# Altium PCB Analog_Daughter_6U_MAX11331.PcbDoc (part 1 of 6) (continued)
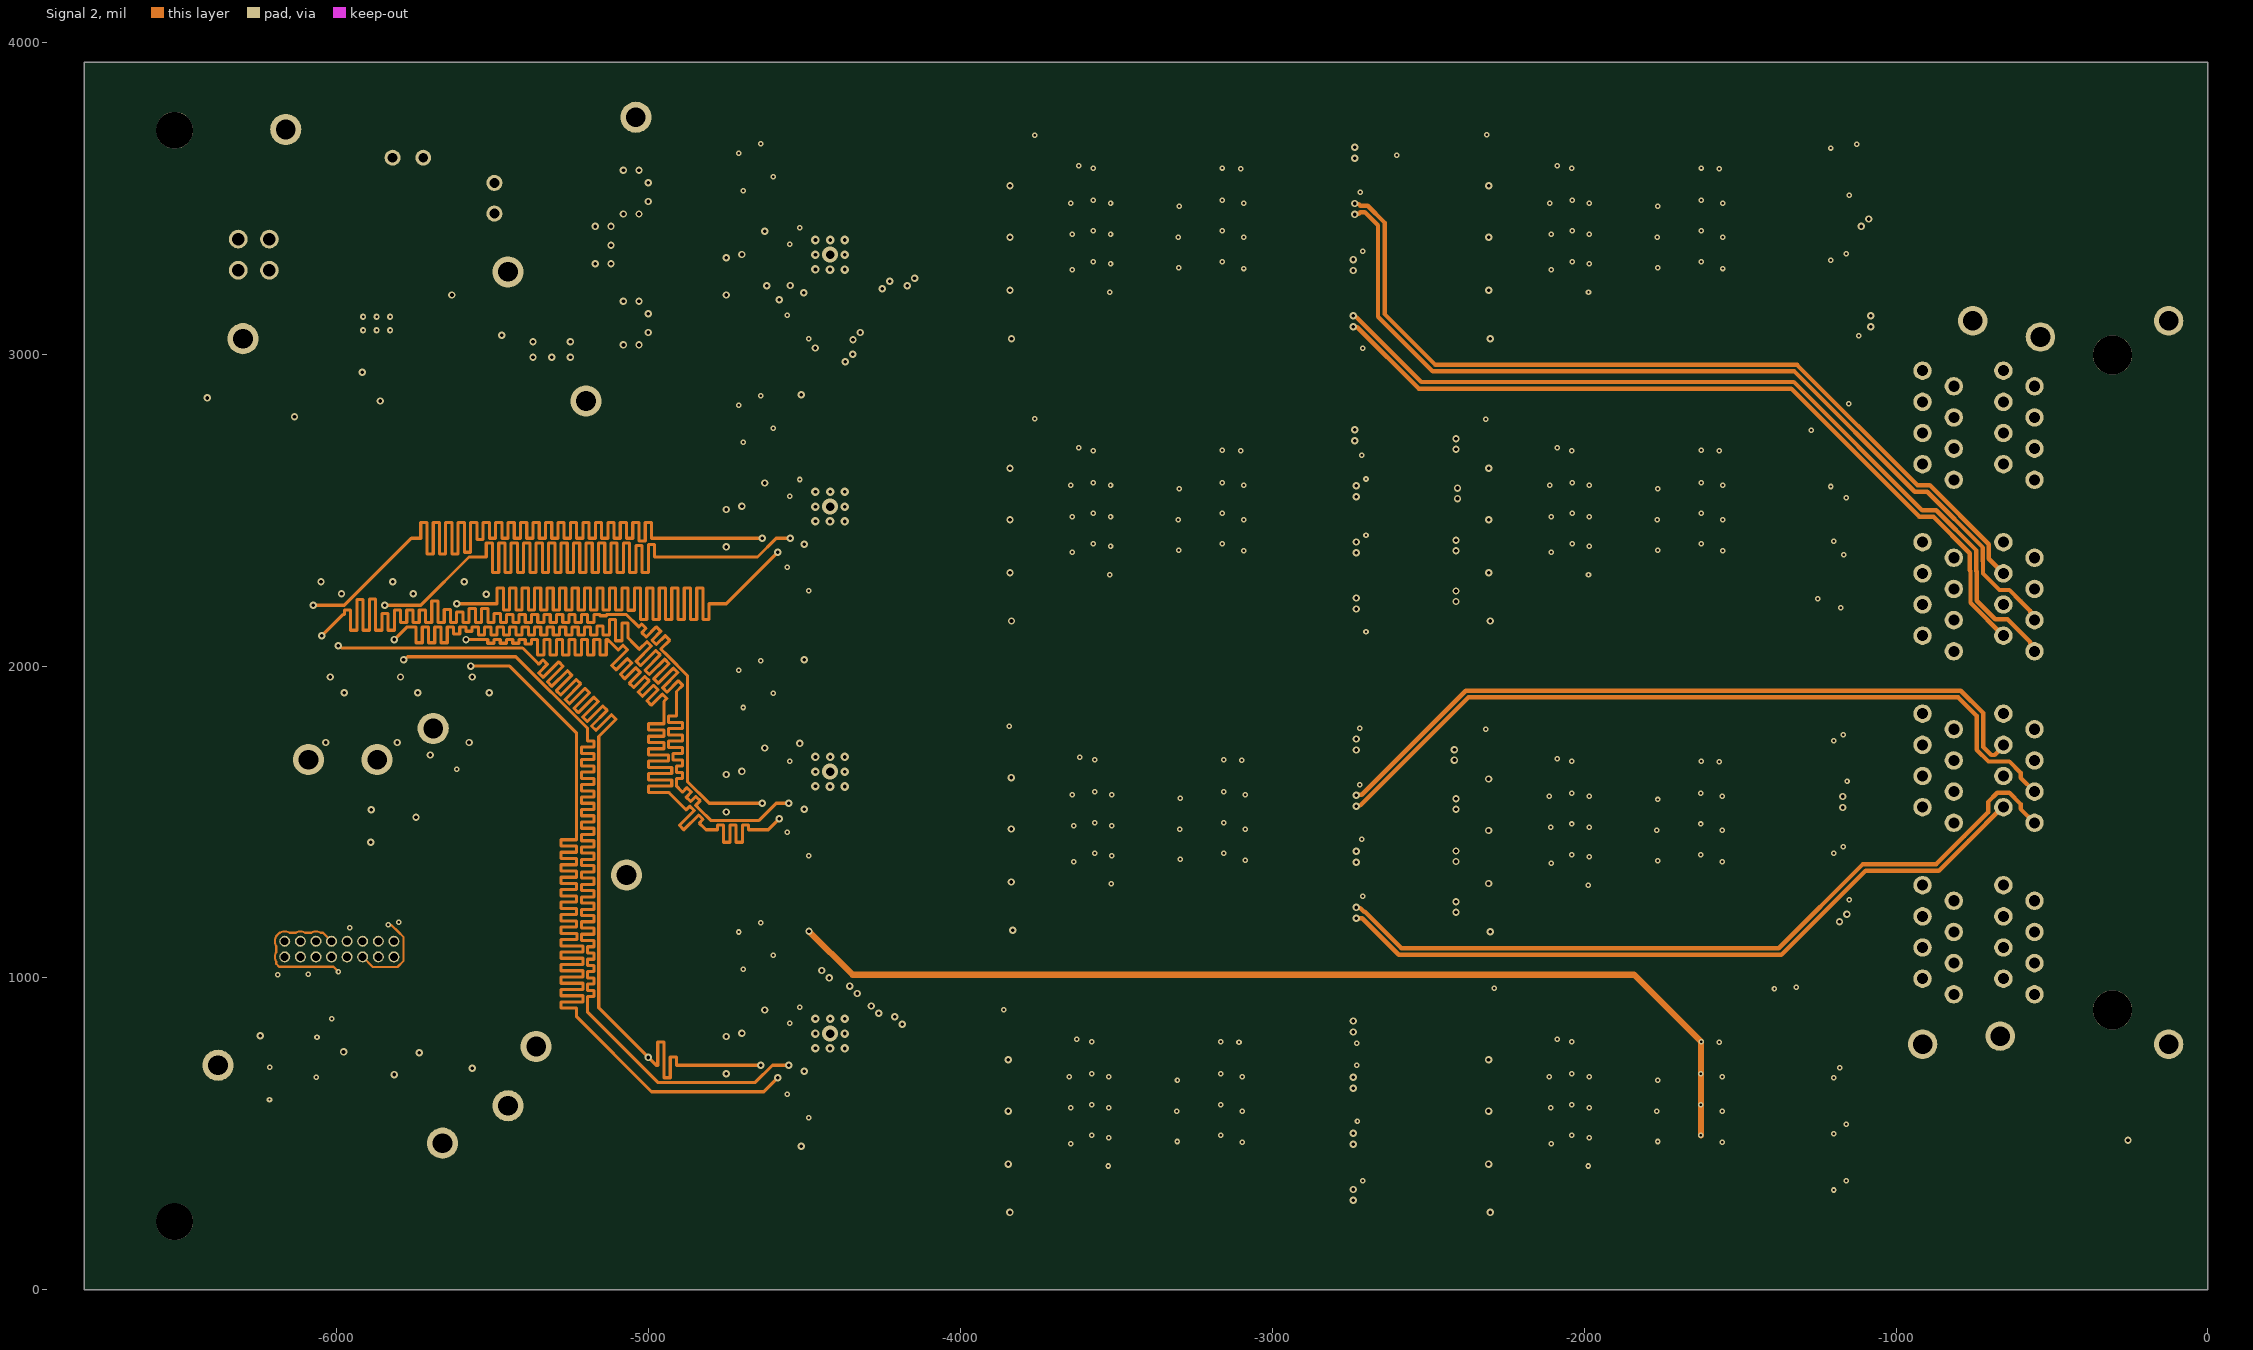
[diagram p4: Signal 2]
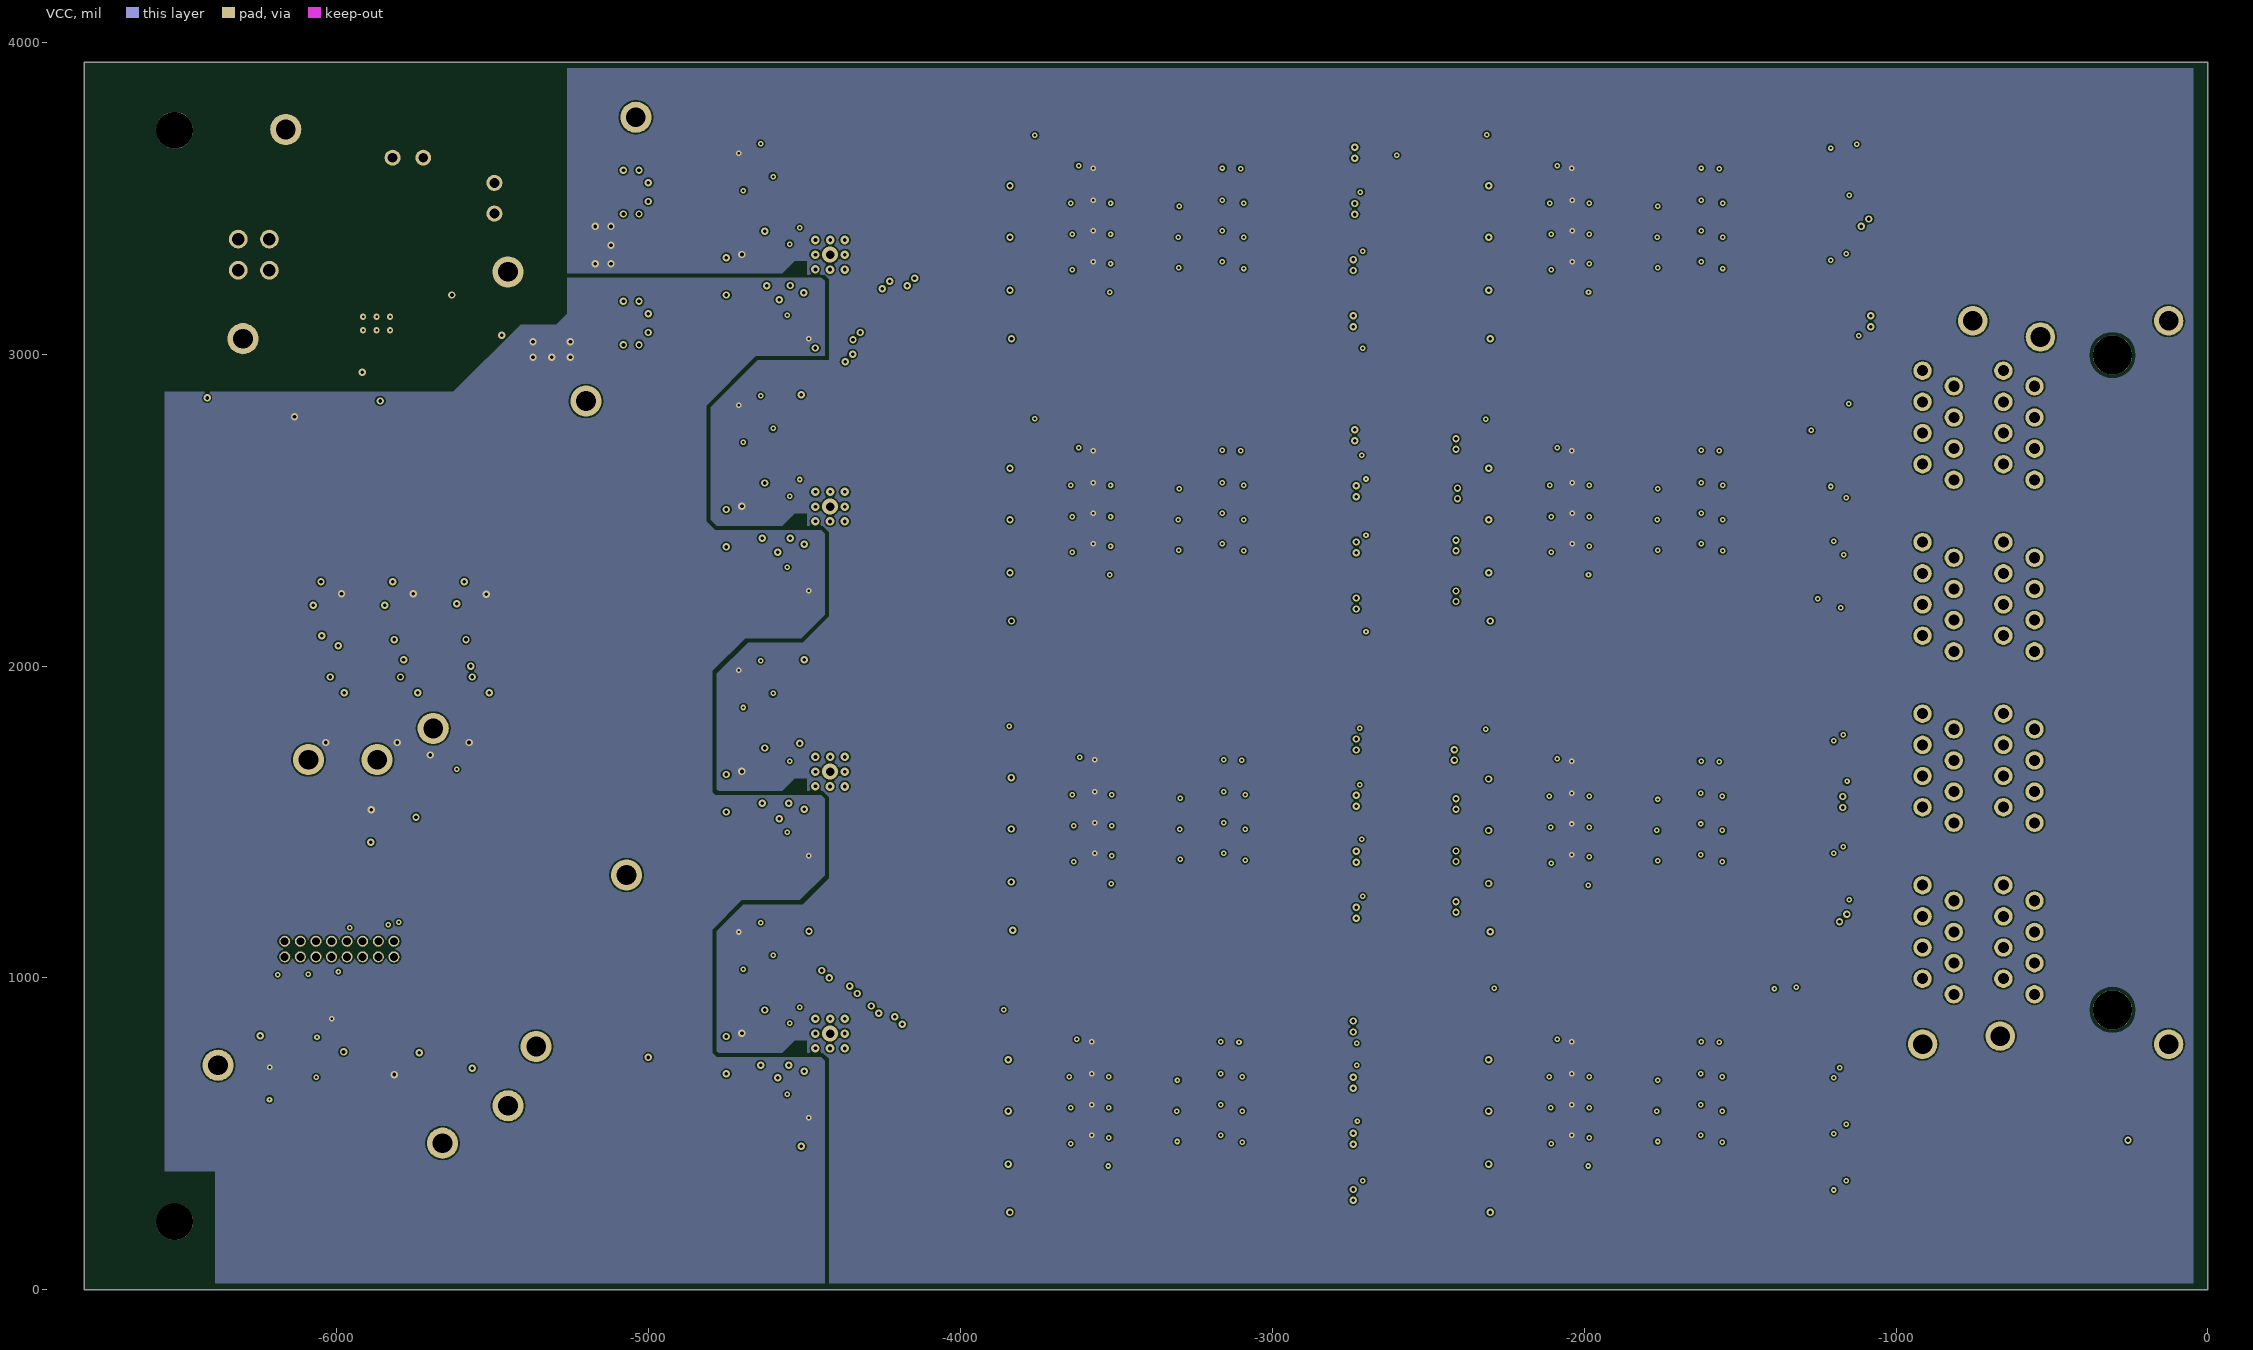
[diagram p5: VCC]
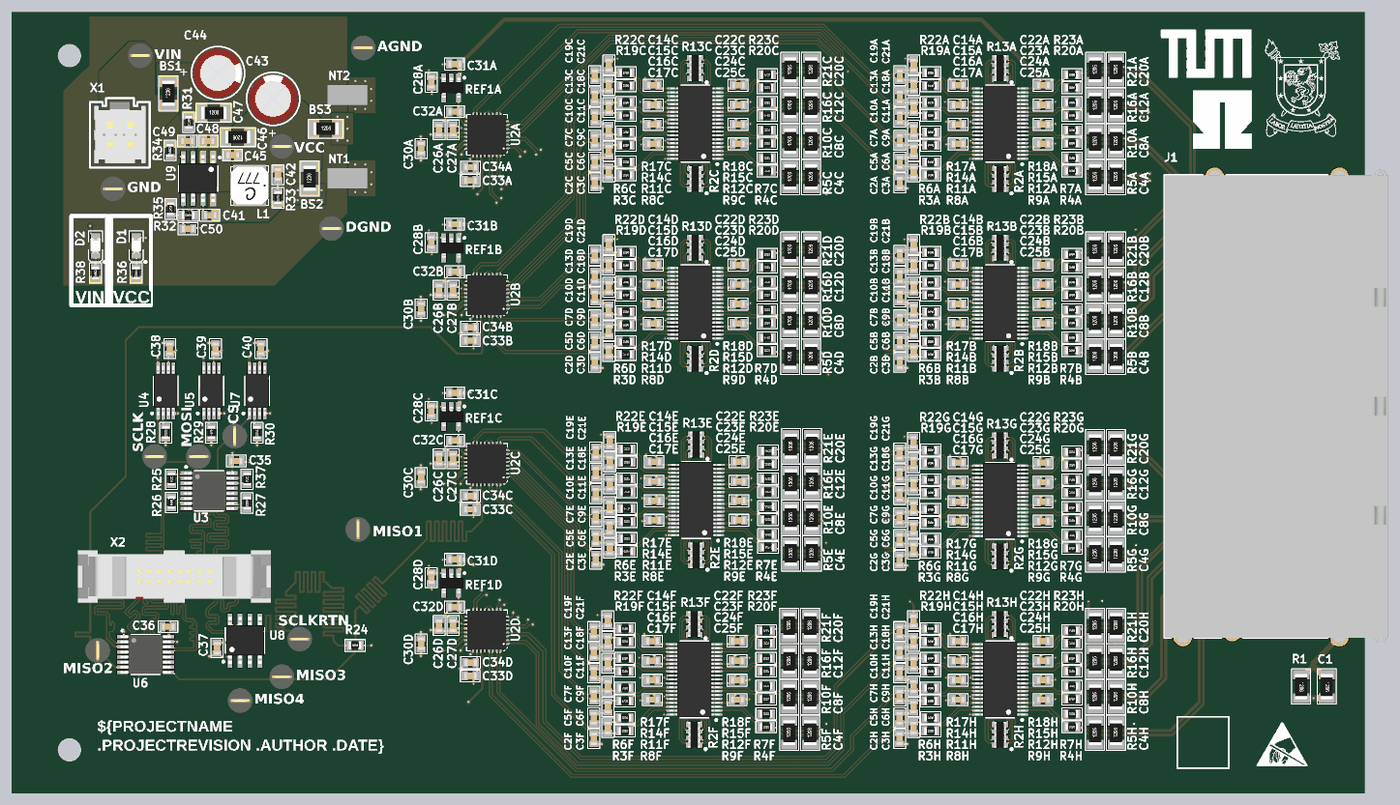
[diagram p11: 3D render of the assembled board from above, using the file's embedded part models]
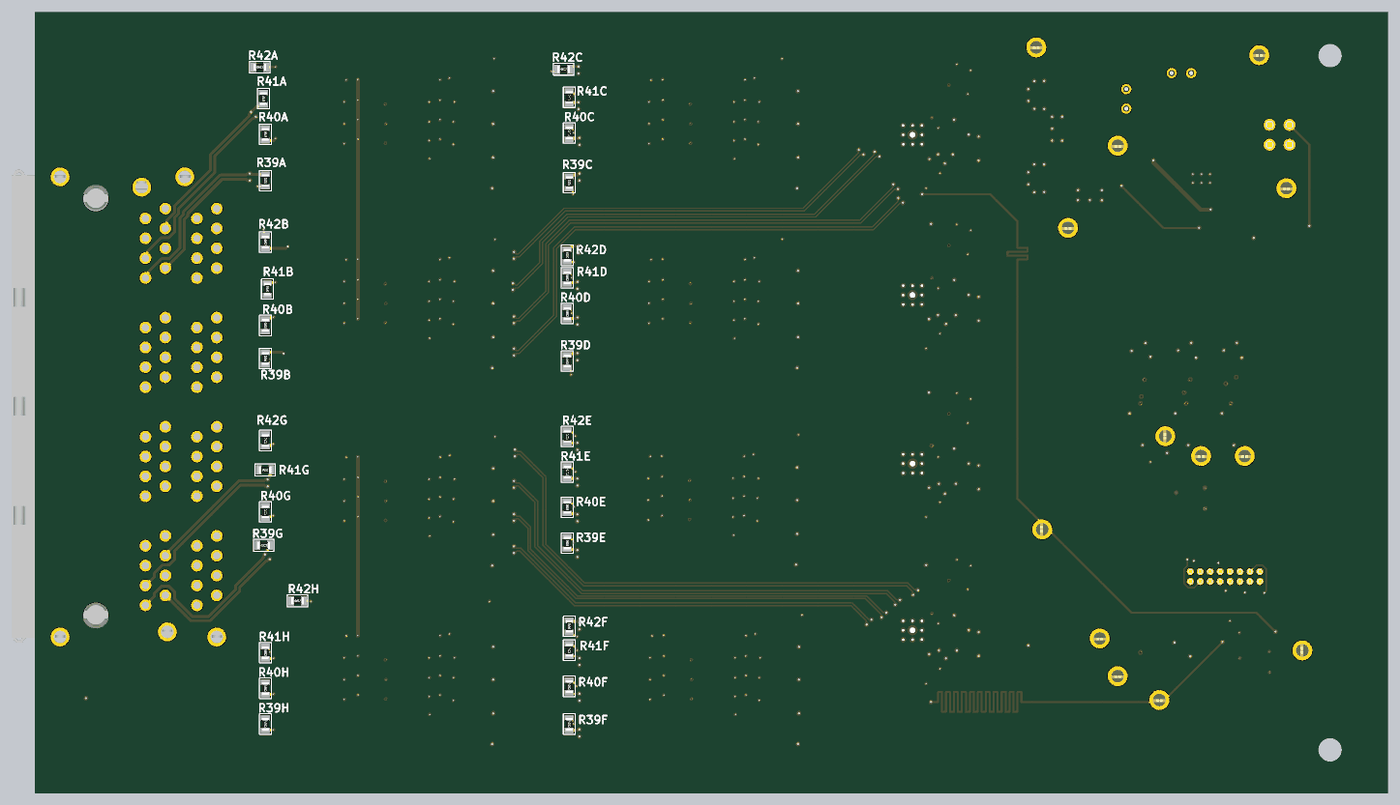
[diagram p12: 3D render of the assembled board from below, using the file's embedded part models]

## Layer stack, top to bottom
Top Solder: solder mask 0.4, Solder Resist, Dk 3.5
Top Layer: signal copper 1.4
Dielectric 2: prepreg 2.8, PP-006, Dk 4.1
GND: signal copper 1.378
Dielectric 4: prepreg 2.8, PP-006, Dk 4.1
Signal 1: signal copper 1.378
Dielectric 1: dielectric 12.6, FR-4, Dk 4.8
Signal 2: signal copper 1.378
Dielectric 5: prepreg 2.8, PP-006, Dk 4.1
VCC: signal copper 1.378
Dielectric 3: prepreg 2.8, PP-006, Dk 4.1
Bottom Layer: signal copper 1.4
Bottom Solder: solder mask 0.4, Solder Resist, Dk 3.5

## Board outline
-6811.03,0 -0.01,0 -0.01,3937.01 -6811.03,3937.01

## Design rules (kind name [scope] priority, off if disabled: settings)
BoardOutlineClearance [All] p1: gap=20 ignorepadtopadclearanceinfootprint=FALSE except(0: Arc-SplitContinuation Track-SplitContinuation SMDPad-SplitContinuation THPad-SplitContinuation Via-SplitContinuation Fill-SplitContinuation Poly-SplitContinuation Region-SplitContinuation Text-OutlineEdge Text-CavityEdge Text-CutoutEdge Text-SplitBarrior Text-SplitContinuation)
Clearance [All] p1: gap=5 ignorepadtopadclearanceinfootprint=FALSE except(0: Arc-Text Track-Text SMDPad-Text THPad-Text Via-Text Fill-Text Poly-Text Region-Text Text-Text Text-Hole; 10: Arc-THPad Arc-Via Arc-Hole Track-THPad Track-Via Track-Hole SMDPad-THPad SMDPad-Via SMDPad-Hole THPad-THPad THPad-Via THPad-Hole Via-Via Via-Hole Fill-Hole Poly-Hole Region-Hole)
DiffPairsRouting [All] p1: maxlimit=10 minlimit=5 mostfreqgap=7 toplayer_minwidth=5 toplayer_maxwidth=15 toplayer_prefwidth=7 midlayer1_minwidth=5 midlayer1_maxwidth=15 midlayer1_prefwidth=7 midlayer2_minwidth=5 midlayer2_maxwidth=15 midlayer2_prefwidth=7 midlayer3_minwidth=5 midlayer3_maxwidth=15 midlayer3_prefwidth=7 midlayer4_minwidth=5 midlayer4_maxwidth=15 midlayer4_prefwidth=7 bottomlayer_minwidth=5 bottomlayer_maxwidth=15 bottomlayer_prefwidth=7 maxuncoupledlength=500
Height [All] p1: minheight=0 maxheight=1100 prefheight=500
HoleSize [All] p1: absolutevalues=TRUE maxlimit=248.03 minlimit=7.87 maxpercent=80.000 minpercent=20.000
HoleToHoleClearance [All] p1: gap=19.68 allowstackedmicrovias=TRUE
MatchedLengths MatchedLengths_single [InNetClass('Match_single')] p1: tolerance=100 checknetsindiffpair=FALSE checkdiffpairvsdiffpair=TRUE checkxsignals=TRUE checkothers=TRUE
MatchedLengths MatchedLengths_diff_inpair [InNetClass('Match_diff')] p2: tolerance=50 checknetsindiffpair=TRUE checkdiffpairvsdiffpair=FALSE checkxsignals=FALSE checkothers=FALSE
MatchedLengths MatchedLengths_diff [InNetClass('Match_diff')] p3: tolerance=100 checknetsindiffpair=FALSE checkdiffpairvsdiffpair=TRUE checkxsignals=TRUE checkothers=TRUE
MinimumAnnularRing [All] p1: minimumring=4.72
MinimumSolderMaskSliver [All] p1: minsoldermaskwidth=3.54
PolygonConnect [All] p1: connectstyle=Direct reliefconductorwidth=10 reliefentries=4 polygonreliefangle="90 Angle" airgapwidth=10
RoomDefinition "Power Supply" [InComponentClass('Power Supply')] p1: confinementstyle=ConfineIn formatcopy=TRUE lockcomponents=FALSE outline -6437.19,2667.18 -6437.19,2909.61 -6431.7,2909.61 -6431.7,3519.37 -6236.84,3519.37 -6236.84,3790.49 -5113.92,3790.49 -5113.92,3829.55 -4968.92,3829.55 -4968.92,3684.55 -5011.42,3684.55 -5011.42,3040 -5128.92,3040 -5128.92,2774.55 -6137.15,2774.55 -6137.15,2667.18 -6142.23,2667.18 -6142.23,2557.81 -6432.11,2557.81 -6432.11,2667.18
RoomDefinition Interface [InComponentClass('Interface')] p2: confinementstyle=ConfineIn formatcopy=TRUE lockcomponents=FALSE outline -6490.07,948.07 -6490.07,1237.07 -6124.73,2193.39 -6058.41,2303.41 -5513.57,2303.41 -4995.97,1402.5 -4995.97,1257.5 -5018.84,702.58 -5588.92,394.55 -5733.92,394.55 -6302.09,578.35 -6450.97,647.5
RoomDefinition Analog_Inputs [InComponentClass('Analog_Inputs')] p3: confinementstyle=ConfineIn formatcopy=TRUE lockcomponents=FALSE outline -1021.78,726.16 -1021.78,3168.65 134.21,3168.65 134.21,726.16 -101.49,726.16 -101.49,445.41 -258.46,445.41 -258.46,436.48 -379.52,436.48 -379.52,726.16
RoomDefinition OpAmp8 [InComponentClass('OpAmp8')] p4: confinementstyle=ConfineIn formatcopy=TRUE lockcomponents=FALSE outline -2382.7,757.97 -2382.7,882.19 -2312.7,882.19 -2312.7,932.19 -1908.79,932.19 -1908.79,940.08 -1416.95,940.08 -1416.95,945.53 -1190.89,945.53 -1190.89,202.58 -1416.95,202.58 -1416.95,207.48 -1908.79,207.48 -1908.79,213.21 -2382.7,213.21 -2382.7,757.97
RoomDefinition OpAmp7 [InComponentClass('OpAmp7')] p5: confinementstyle=ConfineIn formatcopy=TRUE lockcomponents=FALSE outline -2382.7,1657.97 -2382.7,1782.19 -2312.7,1782.19 -2312.7,1832.19 -1908.79,1832.19 -1908.79,1840.08 -1416.95,1840.08 -1416.95,1845.53 -1190.89,1845.53 -1190.89,1102.58 -1416.95,1102.58 -1416.95,1107.48 -1908.79,1107.48 -1908.79,1113.21 -2382.7,1113.21 -2382.7,1657.97
RoomDefinition OpAmp6 [InComponentClass('OpAmp6')] p6: confinementstyle=ConfineIn formatcopy=TRUE lockcomponents=FALSE outline -3922.7,757.97 -3922.7,882.19 -3852.7,882.19 -3852.7,932.19 -3448.79,932.19 -3448.79,940.08 -2956.95,940.08 -2956.95,945.53 -2730.89,945.53 -2730.89,202.58 -2956.95,202.58 -2956.95,207.48 -3448.79,207.48 -3448.79,213.21 -3922.7,213.21 -3922.7,757.97
RoomDefinition OpAmp5 [InComponentClass('OpAmp5')] p7: confinementstyle=ConfineIn formatcopy=TRUE lockcomponents=FALSE outline -3913.23,1662.44 -3913.23,1786.65 -3843.23,1786.65 -3843.23,1836.65 -3439.32,1836.65 -3439.32,1844.55 -2947.49,1844.55 -2947.49,1850 -2721.42,1850 -2721.42,1107.05 -2947.49,1107.05 -2947.49,1111.95 -3439.32,1111.95 -3439.32,1117.68 -3913.23,1117.68 -3913.23,1662.44
RoomDefinition OpAmp4 [InComponentClass('OpAmp4')] p8: confinementstyle=ConfineIn formatcopy=TRUE lockcomponents=FALSE outline -3917.66,2654.51 -3917.66,2778.72 -3847.66,2778.72 -3847.66,2828.72 -3443.75,2828.72 -3443.75,2836.61 -2951.92,2836.61 -2951.92,2842.07 -2725.85,2842.07 -2725.85,2099.11 -2951.92,2099.11 -2951.92,2104.02 -3443.75,2104.02 -3443.75,2109.74 -3917.66,2109.74 -3917.66,2654.51
RoomDefinition OpAmp3 [InComponentClass('OpAmp3')] p9: confinementstyle=ConfineIn formatcopy=TRUE lockcomponents=FALSE outline -3917.66,3560.02 -3917.66,3684.23 -3847.66,3684.23 -3847.66,3734.23 -3443.75,3734.23 -3443.75,3742.13 -2951.92,3742.13 -2951.92,3747.58 -2725.85,3747.58 -2725.85,3004.63 -2951.92,3004.63 -2951.92,3009.53 -3443.75,3009.53 -3443.75,3015.26 -3917.66,3015.26 -3917.66,3560.02
RoomDefinition OpAmp2 [InComponentClass('OpAmp2')] p10: confinementstyle=ConfineIn formatcopy=TRUE lockcomponents=FALSE outline -2382.23,2654.51 -2382.23,2778.72 -2312.23,2778.72 -2312.23,2828.72 -1908.32,2828.72 -1908.32,2836.61 -1416.48,2836.61 -1416.48,2842.07 -1190.42,2842.07 -1190.42,2099.11 -1416.48,2099.11 -1416.48,2104.02 -1908.32,2104.02 -1908.32,2109.74 -2382.23,2109.74 -2382.23,2654.51
RoomDefinition OpAmp1 [InComponentClass('OpAmp1')] p11: confinementstyle=ConfineIn formatcopy=TRUE lockcomponents=FALSE outline -2382.23,3560.02 -2382.23,3684.23 -2312.23,3684.23 -2312.23,3734.23 -1908.32,3734.23 -1908.32,3742.13 -1416.48,3742.13 -1416.48,3747.58 -1190.42,3747.58 -1190.42,3004.63 -1416.48,3004.63 -1416.48,3009.53 -1908.32,3009.53 -1908.32,3015.26 -2382.23,3015.26 -2382.23,3560.02
RoomDefinition ADC4 [InComponentClass('ADC4')] p12: confinementstyle=ConfineIn formatcopy=TRUE lockcomponents=FALSE outline -4791.99,690.18 -4791.99,814.39 -4741.76,1148.21 -4643.88,1220.96 -4519.67,1220.96 -4267.92,946.26 -4267.92,695.94 -4441.17,549.07 -4565.38,549.07
RoomDefinition ADC3 [InComponentClass('ADC3')] p13: confinementstyle=ConfineIn formatcopy=TRUE lockcomponents=FALSE outline -4791.99,1530.18 -4791.99,1654.39 -4741.76,1988.21 -4643.88,2060.97 -4519.67,2060.97 -4267.92,1786.26 -4267.92,1535.94 -4441.17,1389.07 -4565.38,1389.07
RoomDefinition ADC2 [InComponentClass('ADC2')] p14: confinementstyle=ConfineIn formatcopy=TRUE lockcomponents=FALSE outline -4791.99,2380.18 -4791.99,2504.39 -4741.76,2838.21 -4643.88,2910.97 -4519.67,2910.97 -4267.92,2636.26 -4267.92,2385.94 -4441.17,2239.07 -4565.38,2239.07
RoomDefinition ADC1 [InComponentClass('ADC1')] p15: confinementstyle=ConfineIn formatcopy=TRUE lockcomponents=FALSE outline -4791.99,3187.97 -4791.99,3312.18 -4741.76,3646 -4643.88,3718.76 -4519.67,3718.76 -4267.92,3444.06 -4267.92,3193.74 -4441.17,3046.87 -4565.38,3046.87
RoutingVias [All] p1: holewidth=11.81 width=23.62 viastyle="Through Hole" minholewidth=7.87 minwidth=17.72 maxholewidth=31.5 maxwidth=62.99
SilkToSilkClearance [All] p1: silktosilkclearance=0
SilkToSolderMaskClearance [IsPad] p1: minsilkscreentomaskgap=1.97 clearancetoexposedcopper=TRUE
SolderMaskExpansion [All] p1: expansion=4 istentingtop=FALSE
Width [All] p1: maxlimit=30 minlimit=5 preferedwidth=10
23 further rules are at their usual default settings.

## Classes and differential pairs
net class Match_single: CSA CSB CSC CSD MISOA MISOB MISOC MISOD MOSIA MOSIB MOSIC MOSID NetR24_2 SCLKA SCLKB SCLKC SCLKD
net class Match_diff: CS_N CS_P MISOADC1_N MISOADC1_P MISOADC2_N MISOADC2_P MISOADC3_N MISOADC3_P MISOADC4_N MISOADC4_P MOSI_N MOSI_P SCLK_N SCLK_P SCLK_RTN_N SCLK_RTN_P
component class Principal: Logo1 Logo2 Logo3 MH1 MH2 PCB_Logo1 ProjectName Serial
component class Interface: C35 C36 C37 C38 C39 C40 R24 R25 R26 R27 R28 R29 R30 R37 TP6 TP7 TP8 TP9 TP10 TP11 TP12 TP13 U3 U4 U5 U6 U7 U8 X2
channel class Opamps: OpAmp1 OpAmp2 OpAmp3 OpAmp4 OpAmp5 OpAmp6 OpAmp7 OpAmp8
channel class "ADC Chip": ADC1 ADC2 ADC3 ADC4
component class "Power Supply": BS1 BS2 BS3 C41 C42 C43 C44 C45 C46 C47 C48 C49 C50 D1 D2 L1 NT1 NT2 R31 R32 R33 R34 R35 R36 R38 TP1 TP2 TP3 TP4 TP5 U9 X1
component class OpAmp8: C2H C3H C4H C5H C6H C7H C8H C9H C10H C11H C12H C13H C14H C15H C16H C17H C18H C19H C20H C21H C22H C23H C24H C25H R2H R3H R4H R5H R6H R7H R8H R9H R10H R11H R12H R13H R14H R15H R16H R17H R18H R19H R20H R21H R22H R23H R39H R40H R41H R42H U1H
component class OpAmp7: C2G C3G C4G C5G C6G C7G C8G C9G C10G C11G C12G C13G C14G C15G C16G C17G C18G C19G C20G C21G C22G C23G C24G C25G R2G R3G R4G R5G R6G R7G R8G R9G R10G R11G R12G R13G R14G R15G R16G R17G R18G R19G R20G R21G R22G R23G R39G R40G R41G R42G U1G
component class OpAmp6: C2F C3F C4F C5F C6F C7F C8F C9F C10F C11F C12F C13F C14F C15F C16F C17F C18F C19F C20F C21F C22F C23F C24F C25F R2F R3F R4F R5F R6F R7F R8F R9F R10F R11F R12F R13F R14F R15F R16F R17F R18F R19F R20F R21F R22F R23F R39F R40F R41F R42F U1F
component class OpAmp5: C2E C3E C4E C5E C6E C7E C8E C9E C10E C11E C12E C13E C14E C15E C16E C17E C18E C19E C20E C21E C22E C23E C24E C25E R2E R3E R4E R5E R6E R7E R8E R9E R10E R11E R12E R13E R14E R15E R16E R17E R18E R19E R20E R21E R22E R23E R39E R40E R41E R42E U1E
component class OpAmp4: C2D C3D C4D C5D C6D C7D C8D C9D C10D C11D C12D C13D C14D C15D C16D C17D C18D C19D C20D C21D C22D C23D C24D C25D R2D R3D R4D R5D R6D R7D R8D R9D R10D R11D R12D R13D R14D R15D R16D R17D R18D R19D R20D R21D R22D R23D R39D R40D R41D R42D U1D
component class OpAmp3: C2C C3C C4C C5C C6C C7C C8C C9C C10C C11C C12C C13C C14C C15C C16C C17C C18C C19C C20C C21C C22C C23C C24C C25C R2C R3C R4C R5C R6C R7C R8C R9C R10C R11C R12C R13C R14C R15C R16C R17C R18C R19C R20C R21C R22C R23C R39C R40C R41C R42C U1C
component class OpAmp2: C2B C3B C4B C5B C6B C7B C8B C9B C10B C11B C12B C13B C14B C15B C16B C17B C18B C19B C20B C21B C22B C23B C24B C25B R2B R3B R4B R5B R6B R7B R8B R9B R10B R11B R12B R13B R14B R15B R16B R17B R18B R19B R20B R21B R22B R23B R39B R40B R41B R42B U1B
component class OpAmp1: C2A C3A C4A C5A C6A C7A C8A C9A C10A C11A C12A C13A C14A C15A C16A C17A C18A C19A C20A C21A C22A C23A C24A C25A R2A R3A R4A R5A R6A R7A R8A R9A R10A R11A R12A R13A R14A R15A R16A R17A R18A R19A R20A R21A R22A R23A R39A R40A R41A R42A U1A
component class Analog_Inputs: C1 J1 R1
component class ADC4: C26D C27D C28D C30D C31D C32D C33D C34D REF1D U2D
component class ADC3: C26C C27C C28C C30C C31C C32C C33C C34C REF1C U2C
component class ADC2: C26B C27B C28B C30B C31B C32B C33B C34B REF1B U2B
component class ADC1: C26A C27A C28A C30A C31A C32A C33A C34A REF1A U2A
differential pair TD4H: +TD4H_P -TD4H_N
differential pair TD4G: +TD4G_P -TD4G_N
differential pair TD4F: +TD4F_P -TD4F_N
differential pair TD4E: +TD4E_P -TD4E_N
differential pair TD4D: +TD4D_P -TD4D_N
differential pair TD4C: +TD4C_P -TD4C_N
differential pair TD4B: +TD4B_P -TD4B_N
differential pair TD4A: +TD4A_P -TD4A_N
differential pair TD3H: +TD3H_P -TD3H_N
differential pair TD3G: +TD3G_P -TD3G_N
differential pair TD3F: +TD3F_P -TD3F_N
differential pair TD3E: +TD3E_P -TD3E_N
differential pair TD3D: +TD3D_P -TD3D_N
differential pair TD3C: +TD3C_P -TD3C_N
differential pair TD3B: +TD3B_P -TD3B_N
differential pair TD3A: +TD3A_P -TD3A_N
differential pair TD2H: +TD2H_P -TD2H_N
differential pair TD2G: +TD2G_P -TD2G_N
differential pair TD2F: +TD2F_P -TD2F_N
differential pair TD2E: +TD2E_P -TD2E_N
differential pair TD2D: +TD2D_P -TD2D_N
differential pair TD2C: +TD2C_P -TD2C_N
differential pair TD2B: +TD2B_P -TD2B_N
differential pair TD2A: +TD2A_P -TD2A_N
differential pair TD1H: +TD1H_P -TD1H_N
differential pair TD1G: +TD1G_P -TD1G_N
differential pair TD1F: +TD1F_P -TD1F_N
differential pair TD1E: +TD1E_P -TD1E_N
differential pair TD1D: +TD1D_P -TD1D_N
differential pair TD1C: +TD1C_P -TD1C_N
differential pair TD1B: +TD1B_P -TD1B_N
differential pair TD1A: +TD1A_P -TD1A_N
differential pair SCLK: +SCLK_P -SCLK_N
differential pair SCLK_RTN: +SCLK_RTN_P -SCLK_RTN_N
differential pair MOSI: +MOSI_P -MOSI_N
differential pair MISOADC4: +MISOADC4_P -MISOADC4_N
differential pair MISOADC3: +MISOADC3_P -MISOADC3_N
differential pair MISOADC2: +MISOADC2_P -MISOADC2_N
differential pair MISOADC1: +MISOADC1_P -MISOADC1_N
differential pair FB4H: +FB4H_P -FB4H_N
differential pair FB4G: +FB4G_P -FB4G_N
differential pair FB4F: +FB4F_P -FB4F_N
differential pair FB4E: +FB4E_P -FB4E_N
differential pair FB4D: +FB4D_P -FB4D_N
differential pair FB4C: +FB4C_P -FB4C_N
differential pair FB4B: +FB4B_P -FB4B_N
differential pair FB4A: +FB4A_P -FB4A_N
differential pair FB3H: +FB3H_P -FB3H_N
differential pair FB3G: +FB3G_P -FB3G_N
differential pair FB3F: +FB3F_P -FB3F_N
differential pair FB3E: +FB3E_P -FB3E_N
differential pair FB3D: +FB3D_P -FB3D_N
differential pair FB3C: +FB3C_P -FB3C_N
differential pair FB3B: +FB3B_P -FB3B_N
differential pair FB3A: +FB3A_P -FB3A_N
differential pair FB2H: +FB2H_P -FB2H_N
differential pair FB2G: +FB2G_P -FB2G_N
differential pair FB2F: +FB2F_P -FB2F_N
differential pair FB2E: +FB2E_P -FB2E_N
differential pair FB2D: +FB2D_P -FB2D_N
differential pair FB2C: +FB2C_P -FB2C_N
differential pair FB2B: +FB2B_P -FB2B_N
differential pair FB2A: +FB2A_P -FB2A_N
differential pair FB1H: +FB1H_P -FB1H_N
differential pair FB1G: +FB1G_P -FB1G_N
differential pair FB1F: +FB1F_P -FB1F_N
differential pair FB1E: +FB1E_P -FB1E_N